# Allegro board REF_038HX-888005K4R-A100.brd (continued)
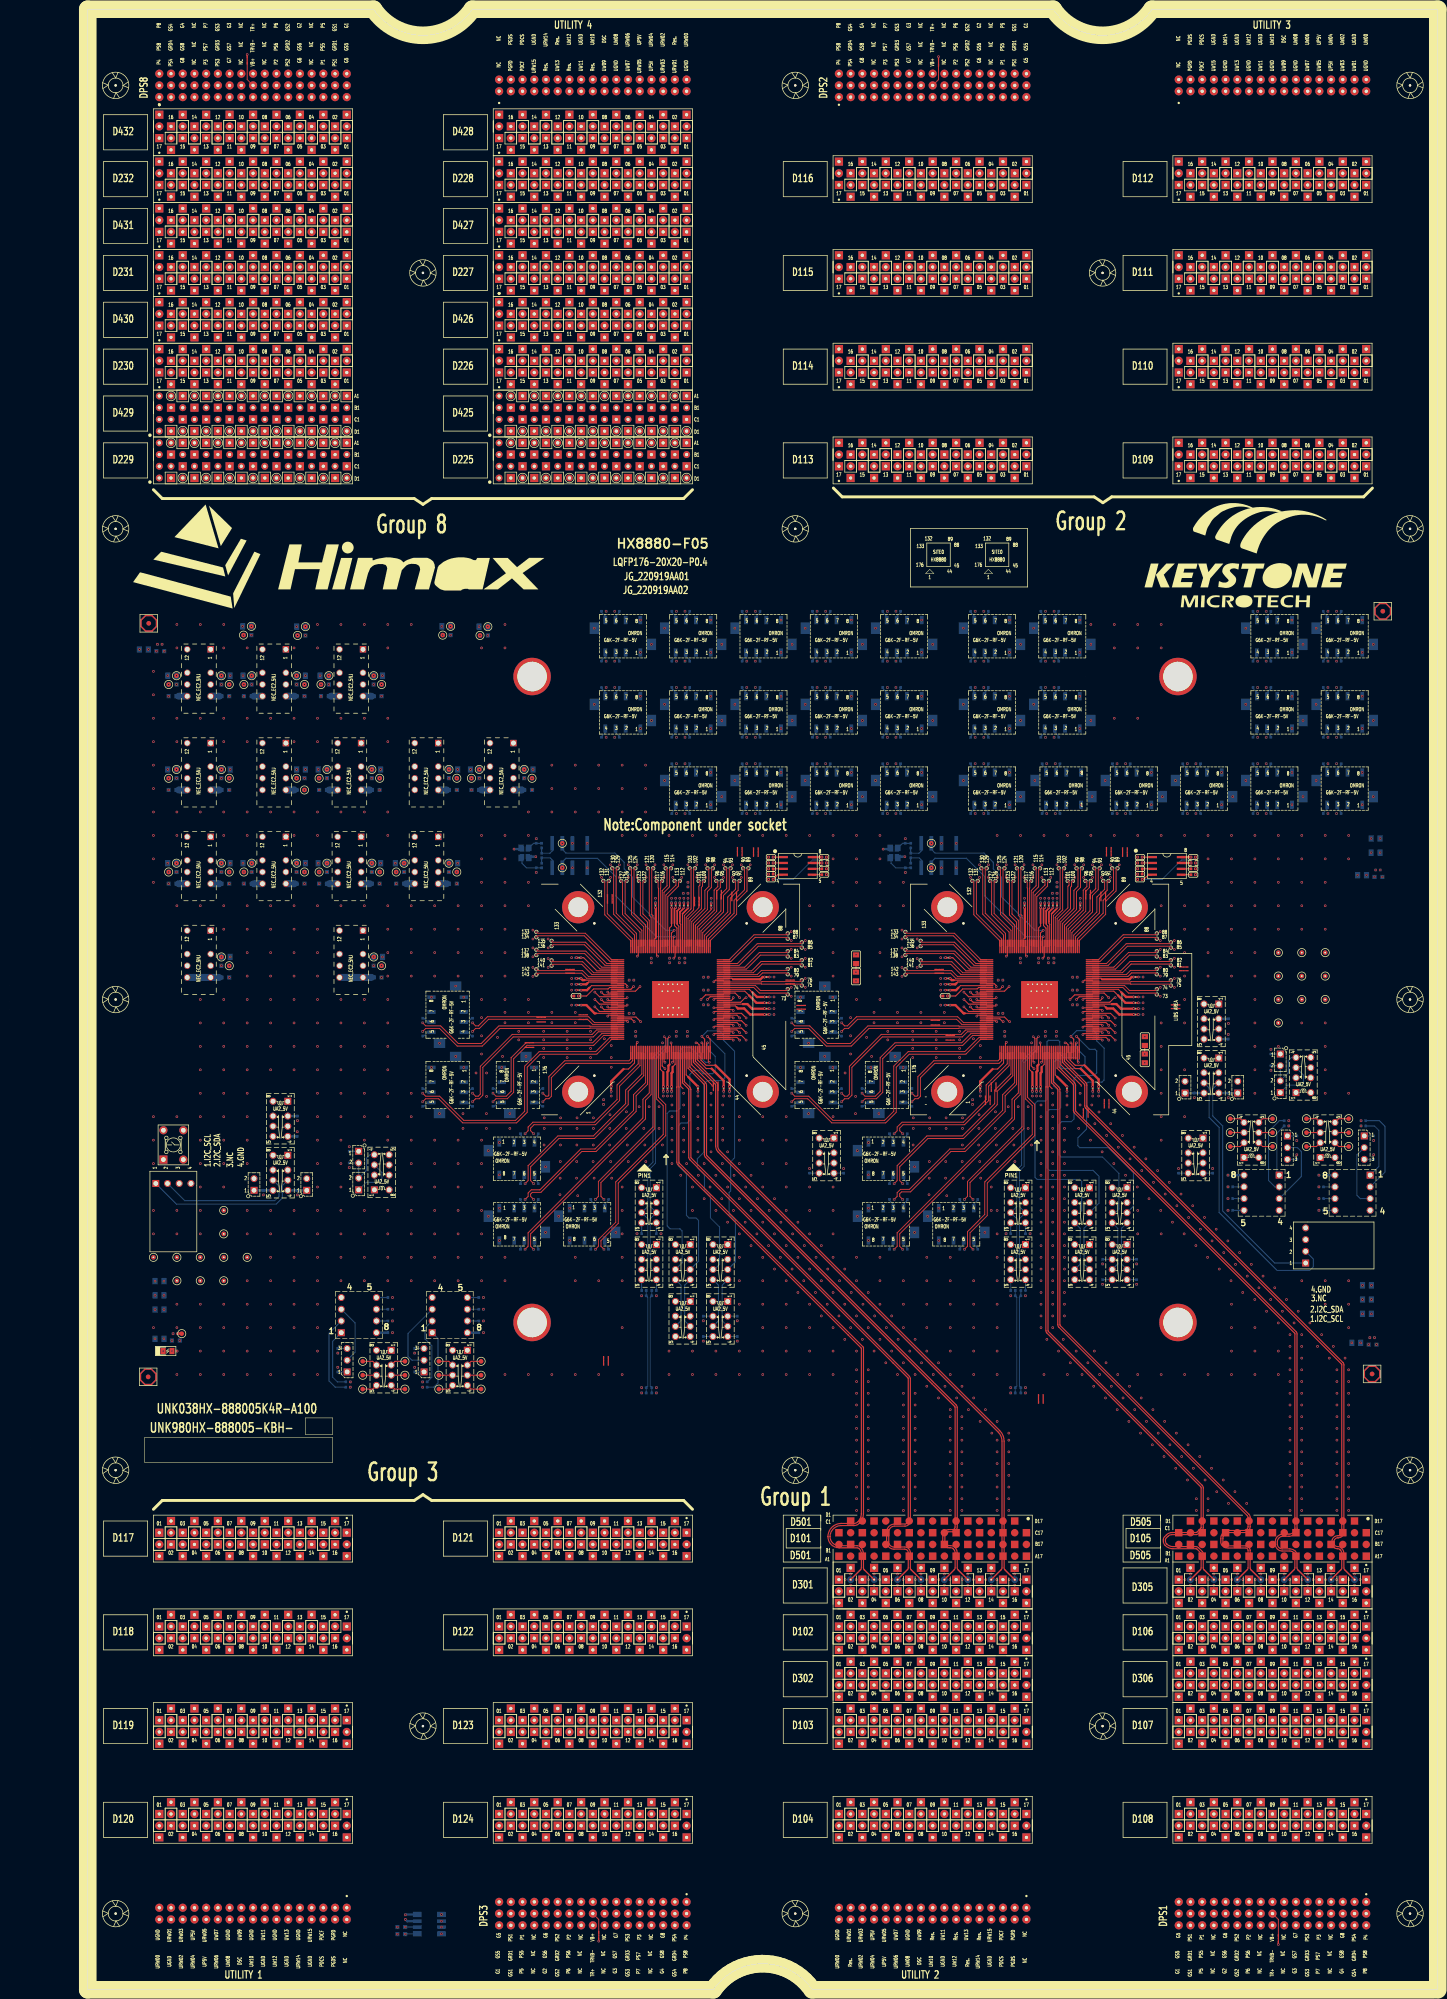
[diagram p0: board, top side]
## Placement (name value [footprint] x y rotation side) (continued)
K40  EC2-5NJ-A  [RL_NECEC2_10P_5V]  73.43 243.53 90 bottom
K42  EC2-5NJ-A  [RL_NECEC2_10P_5V]  56.72 243.53 90 bottom
LD902  LDG-2-S8  [LED_0805]  17.3 138.43 0 top
LOGO1  -  [LOGO_KT_KSMT]  247.92 303.94 0 top
LOGO2  LOGO_HX_Himax  [LOGO_HX_HIMAX]  52.96 305.37 0 top
LQFP176-20X20-P0.4  REF-CODE-CHIP  [CHIP_CODE]  -12.35 117.51 0 top
NOREF  -  []  110.74 189.63 90 top
NOREF#2  -  []  116.32 204.63 90 top
NOREF#3  -  []  101.32 225.69 0 top
NOREF#4  -  []  137.82 206.03 90 top
NOREF#5  -  []  151.32 233.47 0 top
NOREF#6  -  []  108.82 213.75 0 top
NOREF#7  -  []  113.33 201.63 90 top
NOREF#8  -  []  134.92 203.13 90 top
NOREF#9  -  []  98.32 237.25 0 top
NOREF#10  -  []  0 429.26 0 top
NOREF#11  -  []  93.32 224.01 0 top
NOREF#12  -  []  113.33 227.63 0 top
NOREF#13  -  []  151.32 221.84 0 top
NOREF#14  -  []  122.52 226.13 0 top
NOREF#15  -  []  116.32 224.63 0 top
NOREF#16  -  []  138.69 202.25 90 top
NOREF#17  -  []  96.32 144.63 90 top
NOREF#18  -  []  113.94 202.25 0 top
NOREF#19  -  []  119.84 197.13 90 top
NOREF#20  -  []  109.82 198.13 90 top
NOREF#21  -  []  106.32 234.63 0 top
NOREF#22  -  []  109.82 231.13 0 top
NOREF#23  -  []  114.82 213.23 90 top
NOREF#24  -  []  0 0 90 top
NOREF#25  -  []  96.32 284.63 0 top
R1  NC/1M-1-S4  [R0402]  122.76 130.5 180 bottom
R2  NC/1M-1-S4  [R0402]  120.56 150.42 0 bottom
R3  NC/100K-1-S4  [R0402]  122.76 150.42 0 bottom
R4  NC/100K-1-S4  [R0402]  120.56 130.5 0 bottom
R5  0-5-S4  [R0402]  98.39 243.67 270 bottom
R6  1M-1-S4  [R0402]  98.39 245.83 270 bottom
R7  49.9-1-S4  [R0402]  175.69 271.45 0 bottom
R8  49.9-1-S4  [R0402]  172.83 271.45 0 bottom
R9  49.9-1-S4  [R0402]  175.69 282.26 0 bottom
R10  49.9-1-S4  [R0402]  172.83 282.26 0 bottom
R11  49.9-1-S4  [R0402]  175.69 254.94 0 bottom
R12  49.9-1-S4  [R0402]  172.83 254.94 0 bottom
R13  49.9-1-S4  [R0402]  175.69 265.75 0 bottom
R14  49.9-1-S4  [R0402]  172.83 265.75 0 bottom
R15  49.9-1-S4  [R0402]  175.69 287.96 0 bottom
R16  49.9-1-S4  [R0402]  172.83 287.96 0 bottom
R17  49.9-1-S4  [R0402]  175.69 298.77 0 bottom
R18  49.9-1-S4  [R0402]  172.83 298.77 0 bottom
R19  49.9-1-S4  [R0402]  160.45 287.96 0 bottom
R20  49.9-1-S4  [R0402]  157.59 287.96 0 bottom
R21  49.9-1-S4  [R0402]  160.45 298.77 0 bottom
R22  49.9-1-S4  [R0402]  157.59 298.77 0 bottom
R23  49.9-1-S4  [R0402]  160.45 254.94 0 bottom
R24  49.9-1-S4  [R0402]  157.59 254.94 0 bottom
R25  49.9-1-S4  [R0402]  160.45 265.75 0 bottom
R26  49.9-1-S4  [R0402]  157.59 265.75 0 bottom
R27  49.9-1-S4  [R0402]  160.45 271.45 0 bottom
R28  49.9-1-S4  [R0402]  157.59 271.45 0 bottom
R29  49.9-1-S4  [R0402]  160.45 282.26 0 bottom
R30  49.9-1-S4  [R0402]  157.59 282.26 0 bottom
R31  49.9-1-S4  [R0402]  145.21 287.96 0 bottom
R32  49.9-1-S4  [R0402]  142.35 287.96 0 bottom
R33  49.9-1-S4  [R0402]  145.21 298.77 0 bottom
R34  49.9-1-S4  [R0402]  142.35 298.77 0 bottom
R35  49.9-1-S4  [R0402]  145.21 254.94 0 bottom
R36  49.9-1-S4  [R0402]  142.35 254.94 0 bottom
R37  49.9-1-S4  [R0402]  145.21 265.75 0 bottom
R38  49.9-1-S4  [R0402]  142.35 265.75 0 bottom
R39  49.9-1-S4  [R0402]  145.21 271.45 0 bottom
R40  49.9-1-S4  [R0402]  142.35 271.45 0 bottom
R41  49.9-1-S4  [R0402]  145.21 282.26 0 bottom
R42  49.9-1-S4  [R0402]  142.35 282.26 0 bottom
R43  49.9-1-S4  [R0402]  114.73 282.26 0 bottom
R44  49.9-1-S4  [R0402]  111.87 282.26 0 bottom
R45  49.9-1-S4  [R0402]  94.3 174.72 180 bottom
R46  49.9-1-S4  [R0402]  97.16 174.72 180 bottom
R47  49.9-1-S4  [R0402]  109.54 171.3 180 bottom
R48  49.9-1-S4  [R0402]  112.4 171.3 180 bottom
R49  49.9-1-S4  [R0402]  109.54 160.49 180 bottom
R50  49.9-1-S4  [R0402]  112.4 160.49 180 bottom
R51  49.9-1-S4  [R0402]  94.3 171.3 180 bottom
R52  49.9-1-S4  [R0402]  97.16 171.3 180 bottom
R53  49.9-1-S4  [R0402]  94.3 160.49 180 bottom
R54  49.9-1-S4  [R0402]  97.16 160.49 180 bottom
R55  49.9-1-S4  [R0402]  83.41 210.07 90 bottom
R56  49.9-1-S4  [R0402]  83.41 207.21 90 bottom
R57  49.9-1-S4  [R0402]  72.6 210.07 90 bottom
R58  49.9-1-S4  [R0402]  72.6 207.21 90 bottom
R59  49.9-1-S4  [R0402]  98.65 194.83 90 bottom
R60  49.9-1-S4  [R0402]  98.65 191.97 90 bottom
R61  49.9-1-S4  [R0402]  87.84 194.83 90 bottom
R62  49.9-1-S4  [R0402]  87.84 191.97 90 bottom
R63  49.9-1-S4  [R0402]  114.73 287.96 0 bottom
R64  49.9-1-S4  [R0402]  111.87 287.96 0 bottom
R65  49.9-1-S4  [R0402]  72.6 194.83 90 bottom
R66  49.9-1-S4  [R0402]  72.6 191.97 90 bottom
R67  49.9-1-S4  [R0402]  129.97 254.94 0 bottom
R68  49.9-1-S4  [R0402]  127.11 254.94 0 bottom
R69  49.9-1-S4  [R0402]  129.97 265.75 0 bottom
R70  49.9-1-S4  [R0402]  127.11 265.75 0 bottom
R71  49.9-1-S4  [R0402]  129.97 271.45 0 bottom
R72  49.9-1-S4  [R0402]  127.11 271.45 0 bottom
R73  49.9-1-S4  [R0402]  129.97 282.26 0 bottom
R74  49.9-1-S4  [R0402]  127.11 282.26 0 bottom
R75  49.9-1-S4  [R0402]  129.97 287.96 0 bottom
R76  49.9-1-S4  [R0402]  127.11 287.96 0 bottom
R77  49.9-1-S4  [R0402]  129.97 298.77 0 bottom
R78  49.9-1-S4  [R0402]  127.11 298.77 0 bottom
R79  49.9-1-S4  [R0402]  114.73 271.45 0 bottom
R80  49.9-1-S4  [R0402]  111.87 271.45 0 bottom
R82  4.7K-1-S4-WA  [R0402]  45.45 188.87 270 bottom
R83  4.7K-1-S4-WA  [R0402]  45.44 172.77 90 bottom
R84  4.7K-1-S4-WA  [R0402]  38.08 172.77 90 bottom
R85  100K-1-S4  [R0402]  56.69 178.7 90 bottom
R86  4.7K-1-S4-WA  [R0402]  70.86 138.49 270 bottom
R87  4.7K-1-S4-WA  [R0402]  73.09 130.61 180 bottom
R88  4.7K-1-S4-WA  [R0402]  73.09 131.75 180 bottom
R89  4.7K-1-S4-WA  [R0402]  70.86 134.41 90 bottom
R90  4.7K-1-S4-WA  [R0402]  85.27 144.96 0 bottom
R91  4.7K-1-S4-WA  [R0402]  85.27 147.5 0 bottom
R92  4.7K-1-S4-WA  [R0402]  85.27 150.04 0 bottom
R93  4.7K-1-S4-WA  [R0402]  54.2 138.49 270 bottom
R94  4.7K-1-S4-WA  [R0402]  56.42 131.75 0 bottom
R95  4.7K-1-S4-WA  [R0402]  56.42 130.61 0 bottom
R96  4.7K-1-S4-WA  [R0402]  54.2 134.41 90 bottom
R97  4.7K-1-S4-WA  [R0402]  65.56 144.96 0 bottom
R98  4.7K-1-S4-WA  [R0402]  65.56 147.5 0 bottom
R99  4.7K-1-S4-WA  [R0402]  65.56 150.04 0 bottom
R100  49.9-1-S4  [R0402]  114.73 298.77 0 bottom
R101  49.9-1-S4  [R0402]  111.87 298.77 0 bottom
R102  49.9-1-S4  [R0402]  94.3 185.53 180 bottom
R103  49.9-1-S4  [R0402]  97.16 185.53 180 bottom
R104  49.9-1-S4  [R0402]  83.41 194.83 90 bottom
R105  49.9-1-S4  [R0402]  83.41 191.97 90 bottom
R117  1K-1-S4  [R0402]  45.41 185.47 90 bottom
R118  NC/0-5-S4  [R0402]  105.9 215.39 180 top
R119  4.7K-1-S4-WA  [R0402]  163.84 177.49 270 bottom
R120  4.7K-1-S4-WA  [R0402]  156.45 177.49 270 bottom
R125  0-5-S4  [R0402]  140.81 145.49 270 bottom
R126  0-5-S4  [R0402]  140.81 141.09 270 bottom
R127  0-5-S4  [R0402]  133.44 145.49 270 bottom
R128  0-5-S4  [R0402]  133.44 141.09 270 bottom
R129  0-5-S4  [R0402]  122.76 151.56 180 bottom
R130  0-5-S4  [R0402]  120.56 151.56 0 bottom
R131  50-0.1-S4-HF-VI  [R0402]  123.76 163.88 0 bottom
R132  50-0.1-S4-HF-VI  [R0402]  119.56 163.88 180 bottom
R133  0-5-S4  [R0402]  98.39 247.99 90 bottom
RB1  10K-1-S6  [R0603]  67.96 13.59 0 bottom
RB2  10K-1-S6  [R0603]  67.96 12.06 0 bottom
RP1  0-5-S4  [R0402]  118.77 207.19 90 bottom
RP2  0-5-S4  [R0402]  117.86 211.63 0 bottom
RP3  0-5-S4  [R0402]  133.98 213.47 180 bottom
RP4  0-5-S4  [R0402]  127.57 207.19 90 bottom
RP5  0-5-S4  [R0402]  129.97 207.19 90 bottom
RP6  0-5-S4  [R0402]  133.98 219.47 180 bottom
RP7  0-5-S4  [R0402]  128.23 223.09 270 bottom
RP8  0-5-S4  [R0402]  126.12 223.09 270 bottom
RP9  0-5-S4  [R0402]  133.98 216.67 180 bottom
RP10  0-5-S4  [R0402]  129.43 223.09 270 bottom
RP11  0-5-S4  [R0402]  122.16 223.09 270 bottom
RP12  0-5-S4  [R0402]  117.86 218.83 0 bottom
RT1  10K-1-S4  [R0402]  148.07 244.22 0 top
RT2  10K-1-S4  [R0402]  148.07 245.49 0 top
RT3  10K-1-S4  [R0402]  148.07 241.81 180 top
RT4  10K-1-S4  [R0402]  148.07 240.67 180 top
RT5  NC/10K-1-S4  [R0402]  148.07 242.95 180 top
RT6  NC/10K-1-S4  [R0402]  159.63 245.49 180 top
RT7  NC/10K-1-S4  [R0402]  159.63 242.95 180 top
RT8  NC/10K-1-S4  [R0402]  159.63 241.68 180 top
RT9  RTD-100-S8  [R0805]  166.54 223.37 90 top
RT10  0-5-S8  [R0805]  166.52 219.61 90 top
S1_I2C  HDR-4X1-MR-A  [JP_4P_100_R90_V1]  14.75 174.75 270 top
S1_RST_N  HDR-2X1-M  [JP_2P_100]  58.73 173.38 180 bottom
SB1  SHORT  [DEFAULT_SHORT_SMALL]  258.08 11.04 90 top
SB2  SHORT  [DEFAULT_SHORT_SMALL]  184.42 417.83 270 top
SB3  SHORT  [DEFAULT_SHORT_SMALL]  110.76 11.71 90 top
SB8  SHORT  [DEFAULT_SHORT_SMALL]  34.56 418.32 270 top
SCREW1  V93KHSCREW  [PG_VG93K_F_HALFOUTLINE]  146.32 214.63 0 top
SH1  SHORT  [DEFAULT_SHORT_SMALL]  95.75 205.26 180 top
SH2  SHORT  [DEFAULT_SHORT_SMALL]  95.75 204.25 180 top
SH3  SHORT  [DEFAULT_SHORT_SMALL]  98.29 210.79 180 top
SH4  SHORT  [DEFAULT_SHORT_SMALL]  98.29 209.77 180 top
SH5  SHORT  [DEFAULT_SHORT_SMALL]  154.64 212.54 0 top
SH6  SHORT  [DEFAULT_SHORT_SMALL]  154.64 213.34 0 top
SH7  SHORT  [DEFAULT_SHORT_SMALL]  113.68 236.42 90 top
SH8  SHORT  [DEFAULT_SHORT_SMALL]  112.66 236.42 90 top
SH9  SHORT  [DEFAULT_SHORT_SMALL]  131.53 235.85 90 top
SH10  SHORT  [DEFAULT_SHORT_SMALL]  132.55 235.85 90 top
SH11  SHORT  [DEFAULT_SHORT_SMALL]  152.27 218.83 0 top
SH12  SHORT  [DEFAULT_SHORT_SMALL]  152.27 218.03 0 top
SH13  SHORT  [DEFAULT_SHORT_SMALL]  140.82 246.65 90 top
SH14  SHORT  [DEFAULT_SHORT_SMALL]  141.84 246.65 90 top
SH15  SHORT  [DEFAULT_SHORT_SMALL]  144.32 246.58 90 top
SH16  SHORT  [DEFAULT_SHORT_SMALL]  145.33 246.58 90 top
SH17  SHORT  [DEFAULT_SHORT_SMALL]  139.61 236.96 90 top
SH18  SHORT  [DEFAULT_SHORT_SMALL]  140.63 236.96 90 top
SH19  SHORT  [DEFAULT_SHORT_SMALL]  111.82 136.31 90 top
SH20  SHORT  [DEFAULT_SHORT_SMALL]  112.84 136.31 90 top
SH21  SHORT  [DEFAULT_SHORT_SMALL]  136.63 195.82 270 top
SH22  SHORT  [DEFAULT_SHORT_SMALL]  135.62 195.82 270 top
SH23  SHORT  [DEFAULT_SHORT_SMALL]  137.34 237.35 90 top
SH24  SHORT  [DEFAULT_SHORT_SMALL]  136.33 237.35 90 top
SH25  SHORT  [DEFAULT_SHORT_SMALL]  104.54 221.14 180 top
SH26  SHORT  [DEFAULT_SHORT_SMALL]  104.54 220.34 180 top
SH27  SHORT  [DEFAULT_SHORT_SMALL]  107.41 211.31 180 top
SH28  SHORT  [DEFAULT_SHORT_SMALL]  107.41 210.29 180 top
SITE1  CU/HX8880-F05-LQFP176-20X20  [SK_LQFP176P_0P4MM_JG_HX8880]  126.32 214.63 90 top
SITE2  CU/HX8880-F05-LQFP176-20X20  [SK_LQFP176P_0P4MM_JG_HX8880]  206.32 214.63 90 top
SK1  UA2-5NJ-A-V3  [RL_NECUA2_5V_V3]  80.69 135 90 bottom
SK1_2  TP01  [TP_040_T]  85.27 136.21 270 top
SK1_3  TP01  [TP_040_T]  85.27 133.2 270 top
SK1_4  TP01  [TP_040_T]  85.27 130.19 270 top
SK1_5  TP01  [TP_040_T]  76.11 130.19 90 top
SK1_6  TP01  [TP_040_T]  76.11 133.2 90 top
SK1_7  TP01  [TP_040_T]  76.11 136.21 90 top
SK2  UA2-5NJ-A-V3  [RL_NECUA2_5V_V3]  64.18 135 90 bottom
SK2_2  TP01  [TP_040_T]  68.76 136.21 270 top
SK2_3  TP01  [TP_040_T]  68.76 133.2 270 top
SK2_4  TP01  [TP_040_T]  68.76 130.19 270 top
SK2_5  TP01  [TP_040_T]  59.6 130.19 90 top
SK2_6  TP01  [TP_040_T]  59.6 133.2 90 top
SK2_7  TP01  [TP_040_T]  59.6 136.21 90 top
SKB1  V93K_SKB_140X140MM  [SOCKET_BASE_152X152_V0090A]  166.32 214.63 0 top
SW1  SW-TACTILE-1-D4.5  [SW_4P_UTP0030B-EVB]  18.56 183.12 90 top
TP_AUXVCC  TP01  [TP_040_T]  86.73 295.44 180 top
TP_AVDD11_RX  TP01  [TP_040_T]  52.26 284.81 180 top
TP_AVDD11_XTAL  TP01  [TP_040_T]  78.3 264.49 0 top
TP_AVDD18_RX  TP01  [TP_040_T]  61.99 284.81 0 top
TP_PLL_M_VDD33  TP01  [TP_040_T]  78.3 244.17 0 top
TP_PLL_TX_VDD33  TP01  [TP_040_T]  68.57 244.17 180 top
TP_VCC3V3  TP01  [TP_040_T]  78.65 295.51 180 top
TP_VDD_IO_33  TP01  [TP_040_T]  84.87 264.49 180 top
TP_VDD_TXREG_33_B  TP01  [TP_040_T]  61.58 244.17 0 top
TP_VDD_TXREG_33_T  TP01  [TP_040_T]  51.85 244.17 180 top
TP_VDDA_33_LV  TP01  [TP_040_T]  94.6 264.49 0 top
TP_VDDC_11  TP01  [TP_040_T]  61.99 223.85 0 top
TP_VDDTXPST_11_B  TP01  [TP_040_T]  61.58 264.49 0 top
TP_VDDTXPST_11_T  TP01  [TP_040_T]  51.85 264.49 180 top
TP_XTAL_IN  TP01  [TP_040_T]  102.86 243.18 0 top
TP_XTAL_OUT  TP01  [TP_040_T]  102.86 248.48 0 top
TPL1  TPL01  [TPL_040_014_TB]  268.24 224.79 0 top
TPL2  TPL01  [TPL_040_014_TB]  268.24 219.71 0 top
TPL3  TPL01  [TPL_040_014_TB]  268.24 214.63 0 top
TPL4  TPL01  [TPL_040_014_TB]  263.16 224.79 0 top
TPL5  TPL01  [TPL_040_014_TB]  263.16 219.71 0 top
TPL6  TPL01  [TPL_040_014_TB]  263.16 214.63 0 top
TPL7  TPL01  [TPL_040_014_TB]  258.08 224.79 0 top
TPL8  TPL01  [TPL_040_014_TB]  258.08 219.71 0 top
TPL9  TPL01  [TPL_040_014_TB]  258.08 214.63 0 top
TPL10  TPL01  [TPL_040_014_TB]  258.08 209.55 0 top
TPL11  TPL01  [TPL_040_014_TB]  29.48 153.67 0 top
TPL12  TPL01  [TPL_040_014_TB]  29.48 158.75 0 top
TPL13  TPL01  [TPL_040_014_TB]  24.4 158.75 0 top
TPL14  TPL01  [TPL_040_014_TB]  24.4 153.67 0 top
TPL15  TPL01  [TPL_040_014_TB]  29.48 168.91 0 top
TPL16  TPL01  [TPL_040_014_TB]  29.48 163.83 0 top
TPL17  TPL01  [TPL_040_014_TB]  19.32 158.75 0 top
TPL18  TPL01  [TPL_040_014_TB]  34.56 158.75 0 top
TPL19  TPL01  [TPL_040_014_TB]  19.32 153.67 0 top
TPL20  TPL01  [TPL_040_014_TB]  14.24 158.75 0 top
U1  SOLDER-DIP8-SOCKET  [DIP8_300X100_RLPIN]  74.67 142.42 0 bottom
U2  SOLDER-DIP8-SOCKET  [DIP8_300X100_RLPIN]  54.96 142.42 0 bottom
UB1  AT24C04N-SO8  [SO8_206X050]  74.06 14.22 180 bottom
UNK1SK1_2  TP01  [TP_040_T]  247.67 182.77 0 top
UNK1SK1_3  TP01  [TP_040_T]  247.67 185.78 0 top
UNK1SK1_4  TP01  [TP_040_T]  247.67 188.79 0 top
UNK1SK1_5  TP01  [TP_040_T]  256.82 188.79 0 top
UNK1SK1_6  TP01  [TP_040_T]  256.82 185.78 0 top
UNK1SK1_7  TP01  [TP_040_T]  256.82 182.77 0 top
UNK1SK2_2  TP01  [TP_040_T]  264.18 182.77 0 top
UNK1SK2_3  TP01  [TP_040_T]  264.18 185.78 0 top
UNK1SK2_4  TP01  [TP_040_T]  264.18 188.79 0 top
UNK1SK2_5  TP01  [TP_040_T]  273.33 188.79 0 top
UNK1SK2_6  TP01  [TP_040_T]  273.33 185.78 0 top
UNK1SK2_7  TP01  [TP_040_T]  273.33 182.77 0 top
UNK2C3  0.1U-16-X-S4-MU  [C0402]  202.76 129.36 0 bottom
UNK2C4  0.1U-16-X-S4-MU  [C0402]  200.56 129.36 180 bottom
UNK2C5  22P-50-N-S4-AVX  [C0402]  177.22 248.99 90 bottom
UNK2C6  22P-50-N-S4-AVX  [C0402]  177.22 242.67 270 bottom
UNK2C7  0.1U-16-X-S4-MU  [C0402]  256.47 203.32 90 bottom
UNK2C8  0.1U-16-X-S4-MU  [C0402]  247.67 176.56 180 bottom
UNK2C9  0.1U-16-X-S4-MU  [C0402]  267.38 176.56 180 bottom
UNK2CA1  NC/10U-10-X6S-S6-MU  [C0603]  46.13 282.9 0 bottom
UNK2CA2  NC/47U-10-X5R-S8-TDK  [C0805]  46.23 284.81 0 bottom
UNK2CA3  NC/10U-10-X6S-S6-MU  [C0603]  34.7 282.9 180 bottom
UNK2CA4  NC/47U-10-X5R-S8-TDK  [C0805]  34.6 284.81 180 bottom
UNK2CA5  NC/10U-10-X6S-S6-MU  [C0603]  29.82 221.94 0 bottom
UNK2CA6  NC/47U-10-X5R-S8-TDK  [C0805]  29.92 223.85 0 bottom
UNK2CA7  NC/10U-10-X6S-S6-MU  [C0603]  29.82 282.9 0 bottom
UNK2CA8  NC/47U-10-X5R-S8-TDK  [C0805]  29.92 284.81 0 bottom
UNK2CA9  NC/10U-10-X6S-S6-MU  [C0603]  18.39 282.9 180 bottom
UNK2CA10  NC/47U-10-X5R-S8-TDK  [C0805]  18.29 284.81 180 bottom
UNK2CA11  NC/10U-10-X6S-S6-MU  [C0603]  29.82 262.58 0 bottom
UNK2CA12  NC/47U-10-X5R-S8-TDK  [C0805]  29.92 264.49 0 bottom
UNK2CA13  NC/47U-10-X5R-S8-TDK  [C0805]  46.23 244.17 0 bottom
UNK2CA14  NC/10U-10-X6S-S6-MU  [C0603]  46.13 242.26 0 bottom
UNK2CA15  NC/47U-10-X5R-S8-TDK  [C0805]  34.6 244.17 180 bottom
UNK2CA16  NC/10U-10-X6S-S6-MU  [C0603]  34.7 242.26 180 bottom
UNK2CA17  NC/47U-10-X5R-S8-TDK  [C0805]  29.92 244.17 0 bottom
UNK2CA18  NC/10U-10-X6S-S6-MU  [C0603]  29.82 242.26 0 bottom
UNK2CA19  NC/47U-10-X5R-S8-TDK  [C0805]  46.23 295.44 180 bottom
UNK2CA20  NC/10U-10-X6S-S6-MU  [C0603]  46.33 293.53 180 bottom
UNK2CA21  10U-10-X6S-S6-MU  [C0603]  46.13 280.36 0 bottom
UNK2CA22  10U-10-X6S-S6-MU  [C0603]  34.7 280.36 180 bottom
UNK2CA23  10U-10-X6S-S6-MU  [C0603]  29.82 219.4 0 bottom
UNK2CA24  10U-10-X6S-S6-MU  [C0603]  29.82 280.36 0 bottom
UNK2CA25  10U-10-X6S-S6-MU  [C0603]  18.39 280.36 180 bottom
UNK2CA26  10U-10-X6S-S6-MU  [C0603]  29.82 260.04 0 bottom
UNK2CA27  10U-10-X6S-S6-MU  [C0603]  46.13 239.72 0 bottom
UNK2CA28  10U-10-X6S-S6-MU  [C0603]  34.7 239.72 180 bottom
UNK2CA29  10U-10-X6S-S6-MU  [C0603]  29.82 239.72 0 bottom
UNK2CA30  NC/47U-10-X5R-S8-TDK  [C0805]  34.52 295.51 180 bottom
UNK2CA31  10U-10-X6S-S6-MU  [C0603]  34.62 293.6 180 bottom
UNK2CA32  NC/10U-10-X6S-S6-MU  [C0603]  46.13 262.58 0 bottom
UNK2CA33  NC/47U-10-X5R-S8-TDK  [C0805]  46.23 264.49 0 bottom
UNK2CA34  10U-10-X6S-S6-MU  [C0603]  46.13 260.04 0 bottom
UNK2CA35  NC/10U-10-X6S-S6-MU  [C0603]  18.39 262.58 180 bottom
UNK2CA36  NC/47U-10-X5R-S8-TDK  [C0805]  18.29 264.49 180 bottom
UNK2CA37  10U-10-X6S-S6-MU  [C0603]  18.39 260.04 180 bottom
UNK2CA38  NC/10U-10-X6S-S6-MU  [C0603]  18.39 242.26 180 bottom
UNK2CA39  NC/47U-10-X5R-S8-TDK  [C0805]  18.29 244.17 180 bottom
UNK2CA40  10U-10-X6S-S6-MU  [C0603]  18.39 239.72 180 bottom
UNK2CC1  0.47U-10-X6S-S2-TY  [C0201]  193.47 194.12 90 bottom
UNK2CC2  4.7U-10-X6T-S4-MU  [C0402]  191.81 192.4 270 bottom
UNK2CC4  0.47U-10-X6S-S2-TY  [C0201]  204.77 194.12 90 bottom
UNK2CC6  0.47U-10-X6S-S2-TY  [C0201]  205.66 194.12 90 bottom
UNK2CC7  0.47U-10-X6S-S2-TY  [C0201]  228.34 212.64 180 bottom
UNK2CC8  0.47U-10-X6S-S2-TY  [C0201]  219.12 194.12 90 bottom
UNK2CC9  0.47U-10-X6S-S2-TY  [C0201]  185.3 216.66 0 bottom
UNK2CC11  0.47U-10-X6S-S2-TY  [C0201]  206.55 194.12 90 bottom
UNK2CC13  0.47U-10-X6S-S2-TY  [C0201]  212.26 194.12 90 bottom
UNK2CC15  4.7U-2.5-X6S-S2-MU  [C0201]  215.14 234.95 90 bottom
UNK2CC16  NC/4.7U-2.5-X6S-S2-MU  [C0201]  228.34 219.5 180 bottom
UNK2CC17  4.7U-2.5-X6S-S2-MU  [C0201]  203.06 236.16 270 bottom
UNK2CC19  0.47U-10-X6S-S2-TY  [C0201]  208.32 236.16 270 bottom
UNK2CC20  4.7U-10-X6T-S4-MU  [C0402]  209.6 237.66 0 bottom
UNK2CC22  0.47U-10-X6S-S2-TY  [C0201]  206.54 236.16 270 bottom
UNK2CC23  4.7U-10-X6T-S4-MU  [C0402]  210.1 239.53 270 bottom
UNK2CC25  0.47U-10-X6S-S2-TY  [C0201]  227.13 215.18 0 bottom
UNK2CC26  0.47U-10-X6S-S2-TY  [C0201]  209.21 236.16 270 bottom
UNK2CC27  0.47U-10-X6S-S2-TY  [C0201]  215.14 236.16 270 bottom
UNK2CC28  0.47U-10-X6S-S2-TY  [C0201]  227.13 219.5 0 top
UNK2CC29  0.47U-10-X6S-S2-TY  [C0201]  203.06 234.95 90 bottom
UNK2CC30  0.47U-10-X6S-S2-TY  [C0201]  207.43 236.16 270 bottom
UNK2CC31  0.47U-10-X6S-S2-TY  [C0201]  228.34 213.91 180 bottom
UNK2CC32  0.47U-10-X6S-S2-TY  [C0201]  217.85 194.12 90 bottom
UNK2CC33  0.47U-10-X6S-S2-TY  [C0201]  185.3 217.93 0 bottom
UNK2CC34  0.47U-10-X6S-S2-TY  [C0201]  185.3 213.41 0 bottom
UNK2CC35  0.47U-10-X6S-S2-TY  [C0201]  228.34 211.37 180 bottom
UNK2CC36  0.47U-10-X6S-S2-TY  [C0201]  210.1 236.16 270 bottom
UNK2CC37  0.47U-10-X6S-S2-TY  [C0201]  185.3 223.69 0 bottom
UNK2CC38  NC/4.7U-2.5-X6S-S2-MU  [C0201]  186.52 223.69 180 bottom
UNK2CC39  0.47U-10-X6S-S2-TY  [C0201]  185.3 219.2 0 bottom
UNK2CC40  4.7U-2.5-X6S-S2-MU  [C0201]  228.34 215.18 180 bottom
UNK2CC41  4.7U-2.5-X6S-S2-MU  [C0201]  186.52 219.2 180 bottom
UNK2CC42  4.7U-2.5-X6S-S2-MU  [C0201]  186.52 213.41 180 bottom
UNK2CD1  0.1U-10-X7R-S2-MU  [C0201]  193.47 195.34 270 top
UNK2CD3  0.1U-10-X7R-S2-MU  [C0201]  207.43 234.95 90 top
UNK2CD4  0.1U-10-X7R-S2-MU  [C0201]  186.52 216.66 180 top
UNK2CD5  0.1U-10-X7R-S2-MU  [C0201]  205.66 195.34 270 top
UNK2CD6  0.1U-10-X7R-S2-MU  [C0201]  210.1 234.95 90 top
UNK2CD7  0.1U-10-X7R-S2-MU  [C0201]  227.13 212.64 0 top
UNK2CD8  0.1U-10-X7R-S2-MU  [C0201]  206.55 195.34 270 top
UNK2CD9  0.1U-10-X7R-S2-MU  [C0201]  212.26 195.34 270 top
UNK2CD10  0.1U-10-X7R-S2-MU  [C0201]  227.13 219.5 0 bottom
UNK2CD11  0.1U-10-X7R-S2-MU  [C0201]  215.14 234.95 90 top
UNK2CD12  0.1U-10-X7R-S2-MU  [C0201]  203.06 234.95 90 top
UNK2CD13  0.1U-10-X7R-S2-MU  [C0201]  208.32 234.95 90 top
UNK2CD14  0.1U-10-X7R-S2-MU  [C0201]  206.54 234.95 90 top
UNK2CD15  0.1U-10-X7R-S2-MU  [C0201]  227.13 215.18 0 top
UNK2CD16  0.1U-10-X7R-S2-MU  [C0201]  209.21 234.95 90 top
UNK2CD17  0.1U-10-X7R-S2-MU  [C0201]  186.52 217.93 180 top
UNK2CD18  0.1U-10-X7R-S2-MU  [C0201]  227.13 213.91 0 top
UNK2CD19  0.1U-10-X7R-S2-MU  [C0201]  186.52 213.41 180 top
UNK2CD20  0.1U-10-X7R-S2-MU  [C0201]  227.13 211.37 0 top
UNK2CD21  0.1U-10-X7R-S2-MU  [C0201]  217.85 195.34 270 top
UNK2CD22  0.1U-10-X7R-S2-MU  [C0201]  204.77 195.34 270 top
UNK2CD23  0.1U-10-X7R-S2-MU  [C0201]  219.12 195.34 270 top
UNK2CD24  0.1U-10-X7R-S2-MU  [C0201]  186.52 223.69 180 top
UNK2CD25  0.1U-10-X7R-S2-MU  [C0201]  186.52 219.2 180 top
UNK2CT1  0.1U-16-X-S4-MU  [C0402]  239.63 244.22 0 top
UNK2GND1  TP01  [TP_040_T]  46.98 260.04 0 top
UNK2GND2  TP01  [TP_040_T]  83.17 262.58 180 top
UNK2GND3  TP01  [TP_040_T]  30.67 242.26 0 top
UNK2GND4  TP01  [TP_040_T]  17.54 282.9 180 top
UNK2GND5  TP01  [TP_040_T]  30.67 282.9 0 top
UNK2GND6  TP01  [TP_040_T]  17.54 262.58 180 top
UNK2GND7  TP01  [TP_040_T]  30.67 262.58 0 top
UNK2GND8  TP01  [TP_040_T]  17.54 242.26 180 top
UNK2GND9  TP01  [TP_040_T]  96.3 262.58 0 top
UNK2GND10  TP01  [TP_040_T]  63.69 221.94 0 top
UNK2GND11  TP01  [TP_040_T]  46.98 242.26 0 top
UNK2GND12  TP01  [TP_040_T]  76.95 293.6 180 top
UNK2GND13  TP01  [TP_040_T]  85.03 293.53 180 top
UNK2GND14  TP01  [TP_040_T]  33.85 242.26 180 top
UNK2J1  HDR-2X1-M  [JP_2P_100]  258.5 202.82 0 bottom
UNK2J2  HDR-3X1-M  [JP_3P_100]  260.04 185.07 0 bottom
UNK2J3  HDR-3X1-M  [JP_3P_100]  276.7 185.07 0 bottom
UNK2J4  HDR-2X1-M  [JP_2P_100]  249.28 194.35 180 bottom
UNK2J5  HDR-2X1-M  [JP_2P_100]  237.85 194.35 180 bottom
UNK2K1  G6K-2F-RF-5V-A  [RL_OMRONG6K2FRF_5V]  272.46 260.34 180 bottom
UNK2K2  G6K-2F-RF-5V-A  [RL_OMRONG6K2FRF_5V]  272.46 276.85 180 bottom
UNK2K3  G6K-2F-RF-5V-A  [RL_OMRONG6K2FRF_5V]  272.46 293.36 180 bottom
UNK2K4  G6K-2F-RF-5V-A  [RL_OMRONG6K2FRF_5V]  257.22 293.36 180 bottom
UNK2K5  G6K-2F-RF-5V-A  [RL_OMRONG6K2FRF_5V]  257.22 260.34 180 bottom
UNK2K6  G6K-2F-RF-5V-A  [RL_OMRONG6K2FRF_5V]  257.22 276.85 180 bottom
UNK2K7  G6K-2F-RF-5V-A  [RL_OMRONG6K2FRF_5V]  241.98 260.34 180 bottom
UNK2K8  G6K-2F-RF-5V-A  [RL_OMRONG6K2FRF_5V]  226.74 260.34 180 bottom
UNK2K9  UA2-5NJ-A-V3  [RL_NECUA2_5V_V3]  201.66 157.91 90 bottom
UNK2K10  UA2-5NJ-A-V3  [RL_NECUA2_5V_V3]  263.51 198.06 270 bottom
UNK2K11  G6K-2F-RF-5V-A  [RL_OMRONG6K2FRF_5V]  211.24 293.36 180 bottom
UNK2K12  UA2-5NJ-A-V3  [RL_NECUA2_5V_V3]  201.66 170.23 90 bottom
UNK2K13  UA2-5NJ-A-V3  [RL_NECUA2_5V_V3]  240.15 180.99 90 bottom
UNK2K14  UA2-5NJ-A-V3  [RL_NECUA2_5V_V3]  223.67 170.23 90 bottom
UNK2K15  UA2-5NJ-A-V3  [RL_NECUA2_5V_V3]  215.54 170.23 90 bottom
UNK2K16  G6K-2F-RF-5V-A  [RL_OMRONG6K2FRF_5V]  211.24 276.85 180 bottom
UNK2K17  G6K-2F-RF-5V-A  [RL_OMRONG6K2FRF_5V]  211.5 260.34 180 bottom
UNK2K18  UB2-5NU-B  [RL_NECUB2_5V]  184.46 245.83 0 bottom
UNK2K19  UA2-5NJ-A-V3  [RL_NECUA2_5V_V3]  215.54 157.91 90 bottom
UNK2K20  UA2-5NJ-A-V3  [RL_NECUA2_5V_V3]  223.67 157.91 90 bottom
UNK2K21  G6K-2F-RF-5V-A  [RL_OMRONG6K2FRF_5V]  196 293.36 180 bottom
UNK2K22  G6K-2F-RF-5V-A  [RL_OMRONG6K2FRF_5V]  173.03 180.12 0 bottom
UNK2K23  G6K-2F-RF-5V-A  [RL_OMRONG6K2FRF_5V]  188.27 165.9 0 bottom
UNK2K24  G6K-2F-RF-5V-A  [RL_OMRONG6K2FRF_5V]  173.03 165.9 0 bottom
UNK2K25  G6K-2F-RF-5V-A  [RL_OMRONG6K2FRF_5V]  158 211.34 270 bottom
UNK2K26  G6K-2F-RF-5V-A  [RL_OMRONG6K2FRF_5V]  173.24 196.1 270 bottom
UNK2K27  G6K-2F-RF-5V-A  [RL_OMRONG6K2FRF_5V]  158 196.1 270 bottom
UNK2K28  UA2-5NJ-A-V3  [RL_NECUA2_5V_V3]  243.57 198.35 90 bottom
UNK2K29  G6K-2F-RF-5V-A  [RL_OMRONG6K2FRF_5V]  196 276.85 180 bottom
UNK2K30  G6K-2F-RF-5V-A  [RL_OMRONG6K2FRF_5V]  196 260.34 180 bottom
UNK2K31  EC2-5NJ-A  [RL_NECEC2_10P_5V]  40.41 263.85 90 bottom
UNK2K33  NC/UA2-5NJ-A-V3  [RL_NECUA2_5V_V3]  243.57 210.05 90 bottom
UNK2K34  EC2-5NJ-A  [RL_NECEC2_10P_5V]  40.41 284.17 90 bottom
UNK2K36  EC2-5NJ-A  [RL_NECEC2_10P_5V]  24.1 223.21 90 bottom
UNK2K37  EC2-5NJ-A  [RL_NECEC2_10P_5V]  24.1 284.17 90 bottom
UNK2K39  EC2-5NJ-A  [RL_NECEC2_10P_5V]  24.1 263.85 90 bottom
UNK2K40  EC2-5NJ-A  [RL_NECEC2_10P_5V]  40.41 243.53 90 bottom
UNK2K42  EC2-5NJ-A  [RL_NECEC2_10P_5V]  24.1 243.53 90 bottom
UNK2R1  NC/1M-1-S4  [R0402]  202.76 130.5 180 bottom
UNK2R2  NC/1M-1-S4  [R0402]  200.56 150.42 0 bottom
UNK2R3  NC/100K-1-S4  [R0402]  202.76 150.42 0 bottom
UNK2R4  NC/100K-1-S4  [R0402]  200.56 130.5 0 bottom
UNK2R5  0-5-S4  [R0402]  178.38 243.67 270 bottom
UNK2R6  1M-1-S4  [R0402]  178.38 245.83 270 bottom
UNK2R7  49.9-1-S4  [R0402]  271.19 254.94 0 bottom
UNK2R8  49.9-1-S4  [R0402]  268.33 254.94 0 bottom
UNK2R9  49.9-1-S4  [R0402]  271.19 265.75 0 bottom
UNK2R10  49.9-1-S4  [R0402]  268.33 265.75 0 bottom
UNK2R11  49.9-1-S4  [R0402]  271.19 271.45 0 bottom
UNK2R12  49.9-1-S4  [R0402]  268.33 271.45 0 bottom
UNK2R13  49.9-1-S4  [R0402]  271.19 282.26 0 bottom
UNK2R14  49.9-1-S4  [R0402]  268.33 282.26 0 bottom
UNK2R15  49.9-1-S4  [R0402]  271.19 287.96 0 bottom
UNK2R16  49.9-1-S4  [R0402]  268.33 287.96 0 bottom
UNK2R17  49.9-1-S4  [R0402]  271.19 298.77 0 bottom
UNK2R18  49.9-1-S4  [R0402]  268.33 298.77 0 bottom
UNK2R19  49.9-1-S4  [R0402]  255.95 287.96 0 bottom
UNK2R20  49.9-1-S4  [R0402]  253.09 287.96 0 bottom
UNK2R21  49.9-1-S4  [R0402]  255.95 298.77 0 bottom
UNK2R22  49.9-1-S4  [R0402]  253.09 298.77 0 bottom
UNK2R23  49.9-1-S4  [R0402]  255.95 254.94 0 bottom
UNK2R24  49.9-1-S4  [R0402]  253.09 254.94 0 bottom
UNK2R25  49.9-1-S4  [R0402]  255.95 265.75 0 bottom
UNK2R26  49.9-1-S4  [R0402]  253.09 265.75 0 bottom
UNK2R27  49.9-1-S4  [R0402]  255.95 271.45 0 bottom
UNK2R28  49.9-1-S4  [R0402]  253.09 271.45 0 bottom
UNK2R29  49.9-1-S4  [R0402]  255.95 282.26 0 bottom
UNK2R30  49.9-1-S4  [R0402]  253.09 282.26 0 bottom
UNK2R31  49.9-1-S4  [R0402]  240.71 254.94 0 bottom
UNK2R32  49.9-1-S4  [R0402]  237.85 254.94 0 bottom
UNK2R33  49.9-1-S4  [R0402]  240.71 265.75 0 bottom
UNK2R34  49.9-1-S4  [R0402]  237.85 265.75 0 bottom
UNK2R35  49.9-1-S4  [R0402]  225.47 254.94 0 bottom
UNK2R36  49.9-1-S4  [R0402]  222.61 254.94 0 bottom
UNK2R37  49.9-1-S4  [R0402]  225.47 265.75 0 bottom
UNK2R38  49.9-1-S4  [R0402]  222.61 265.75 0 bottom
UNK2R39  49.9-1-S4  [R0402]  209.97 287.96 0 bottom
UNK2R40  49.9-1-S4  [R0402]  207.11 287.96 0 bottom
UNK2R41  49.9-1-S4  [R0402]  209.97 298.77 0 bottom
UNK2R42  49.9-1-S4  [R0402]  207.11 298.77 0 bottom
UNK2R43  49.9-1-S4  [R0402]  194.73 282.26 0 bottom
UNK2R44  49.9-1-S4  [R0402]  191.87 282.26 0 bottom
UNK2R45  49.9-1-S4  [R0402]  174.3 174.72 180 bottom
UNK2R46  49.9-1-S4  [R0402]  177.16 174.72 180 bottom
UNK2R47  49.9-1-S4  [R0402]  189.54 171.3 180 bottom
UNK2R48  49.9-1-S4  [R0402]  192.4 171.3 180 bottom
UNK2R49  49.9-1-S4  [R0402]  189.54 160.49 180 bottom
UNK2R50  49.9-1-S4  [R0402]  192.4 160.49 180 bottom
UNK2R51  49.9-1-S4  [R0402]  174.3 171.3 180 bottom
UNK2R52  49.9-1-S4  [R0402]  177.16 171.3 180 bottom
UNK2R53  49.9-1-S4  [R0402]  174.3 160.49 180 bottom
UNK2R54  49.9-1-S4  [R0402]  177.16 160.49 180 bottom
UNK2R55  49.9-1-S4  [R0402]  163.41 210.07 90 bottom
UNK2R56  49.9-1-S4  [R0402]  163.41 207.21 90 bottom
UNK2R57  49.9-1-S4  [R0402]  152.6 210.07 90 bottom
UNK2R58  49.9-1-S4  [R0402]  152.6 207.21 90 bottom
UNK2R59  49.9-1-S4  [R0402]  178.65 194.83 90 bottom
UNK2R60  49.9-1-S4  [R0402]  178.65 191.97 90 bottom
UNK2R61  49.9-1-S4  [R0402]  167.84 194.83 90 bottom
UNK2R62  49.9-1-S4  [R0402]  167.84 191.97 90 bottom
UNK2R63  49.9-1-S4  [R0402]  194.73 254.94 0 bottom
UNK2R64  49.9-1-S4  [R0402]  191.87 254.94 0 bottom
UNK2R65  49.9-1-S4  [R0402]  152.6 194.83 90 bottom
UNK2R66  49.9-1-S4  [R0402]  152.6 191.97 90 bottom
UNK2R67  49.9-1-S4  [R0402]  209.97 271.45 0 bottom
UNK2R68  49.9-1-S4  [R0402]  207.11 271.45 0 bottom
UNK2R69  49.9-1-S4  [R0402]  209.97 282.26 0 bottom
UNK2R70  49.9-1-S4  [R0402]  207.11 282.26 0 bottom
UNK2R71  49.9-1-S4  [R0402]  210.23 254.94 0 bottom
UNK2R72  49.9-1-S4  [R0402]  207.37 254.94 0 bottom
UNK2R73  49.9-1-S4  [R0402]  210.23 265.75 0 bottom
UNK2R74  49.9-1-S4  [R0402]  207.37 265.75 0 bottom
UNK2R75  49.9-1-S4  [R0402]  194.73 287.96 0 bottom
UNK2R76  49.9-1-S4  [R0402]  191.87 287.96 0 bottom
UNK2R77  49.9-1-S4  [R0402]  194.73 298.77 0 bottom
UNK2R78  49.9-1-S4  [R0402]  191.87 298.77 0 bottom
UNK2R79  49.9-1-S4  [R0402]  194.73 271.45 0 bottom
UNK2R80  49.9-1-S4  [R0402]  191.87 271.45 0 bottom
UNK2R82  4.7K-1-S4-WA  [R0402]  247.26 209.95 270 bottom
UNK2R83  4.7K-1-S4-WA  [R0402]  247.25 193.85 90 bottom
UNK2R84  4.7K-1-S4-WA  [R0402]  239.88 193.85 90 bottom
UNK2R85  100K-1-S4  [R0402]  256.47 199.78 90 bottom
UNK2R86  4.7K-1-S4-WA  [R0402]  262.07 180.49 90 bottom
UNK2R87  4.7K-1-S4-WA  [R0402]  259.85 187.23 0 bottom
UNK2R88  4.7K-1-S4-WA  [R0402]  259.85 188.37 0 bottom
UNK2R89  4.7K-1-S4-WA  [R0402]  262.07 184.57 270 bottom
UNK2R90  4.7K-1-S4-WA  [R0402]  247.67 174.02 180 bottom
UNK2R91  4.7K-1-S4-WA  [R0402]  247.67 171.48 180 bottom
UNK2R92  4.7K-1-S4-WA  [R0402]  247.67 168.94 180 bottom
UNK2R93  4.7K-1-S4-WA  [R0402]  278.74 180.49 90 bottom
UNK2R94  4.7K-1-S4-WA  [R0402]  276.51 187.23 180 bottom
UNK2R95  4.7K-1-S4-WA  [R0402]  276.51 188.37 180 bottom
UNK2R96  4.7K-1-S4-WA  [R0402]  278.74 184.57 270 bottom
UNK2R97  4.7K-1-S4-WA  [R0402]  267.38 174.02 180 bottom
UNK2R98  4.7K-1-S4-WA  [R0402]  267.38 171.48 180 bottom
UNK2R99  4.7K-1-S4-WA  [R0402]  267.38 168.94 180 bottom
UNK2R100  49.9-1-S4  [R0402]  194.73 265.75 0 bottom
UNK2R101  49.9-1-S4  [R0402]  191.87 265.75 0 bottom
UNK2R102  49.9-1-S4  [R0402]  174.3 185.53 180 bottom
UNK2R103  49.9-1-S4  [R0402]  177.16 185.53 180 bottom
UNK2R104  49.9-1-S4  [R0402]  163.41 194.83 90 bottom
UNK2R105  49.9-1-S4  [R0402]  163.41 191.97 90 bottom
UNK2R117  1K-1-S4  [R0402]  247.22 206.55 90 bottom
UNK2R118  NC/0-5-S4  [R0402]  185.9 215.39 180 top
UNK2R119  4.7K-1-S4-WA  [R0402]  243.84 177.49 270 bottom
UNK2R120  4.7K-1-S4-WA  [R0402]  236.45 177.49 270 bottom
UNK2R125  0-5-S4  [R0402]  227.36 157.81 270 bottom
UNK2R126  0-5-S4  [R0402]  227.36 153.41 270 bottom
UNK2R127  0-5-S4  [R0402]  219.99 157.81 270 bottom
UNK2R128  0-5-S4  [R0402]  219.99 153.41 270 bottom
UNK2R129  0-5-S4  [R0402]  202.76 151.56 180 bottom
UNK2R130  0-5-S4  [R0402]  200.56 151.56 0 bottom
UNK2R131  50-0.1-S4-HF-VI  [R0402]  203.76 163.88 0 bottom
UNK2R132  50-0.1-S4-HF-VI  [R0402]  199.56 163.88 180 bottom
UNK2R133  0-5-S4  [R0402]  178.38 247.99 90 bottom
UNK2RP1  0-5-S4  [R0402]  198.77 207.19 90 bottom
UNK2RP2  0-5-S4  [R0402]  197.86 211.63 0 bottom
UNK2RP3  0-5-S4  [R0402]  213.98 213.47 180 bottom
UNK2RP4  0-5-S4  [R0402]  207.57 207.19 90 bottom
UNK2RP5  0-5-S4  [R0402]  209.97 207.19 90 bottom
UNK2RP6  0-5-S4  [R0402]  213.98 219.47 180 bottom
UNK2RP7  0-5-S4  [R0402]  208.23 223.09 270 bottom
UNK2RP8  0-5-S4  [R0402]  206.12 223.09 270 bottom
